# Altium PCB qfc.PcbDoc (part 2 of 13) (continued)
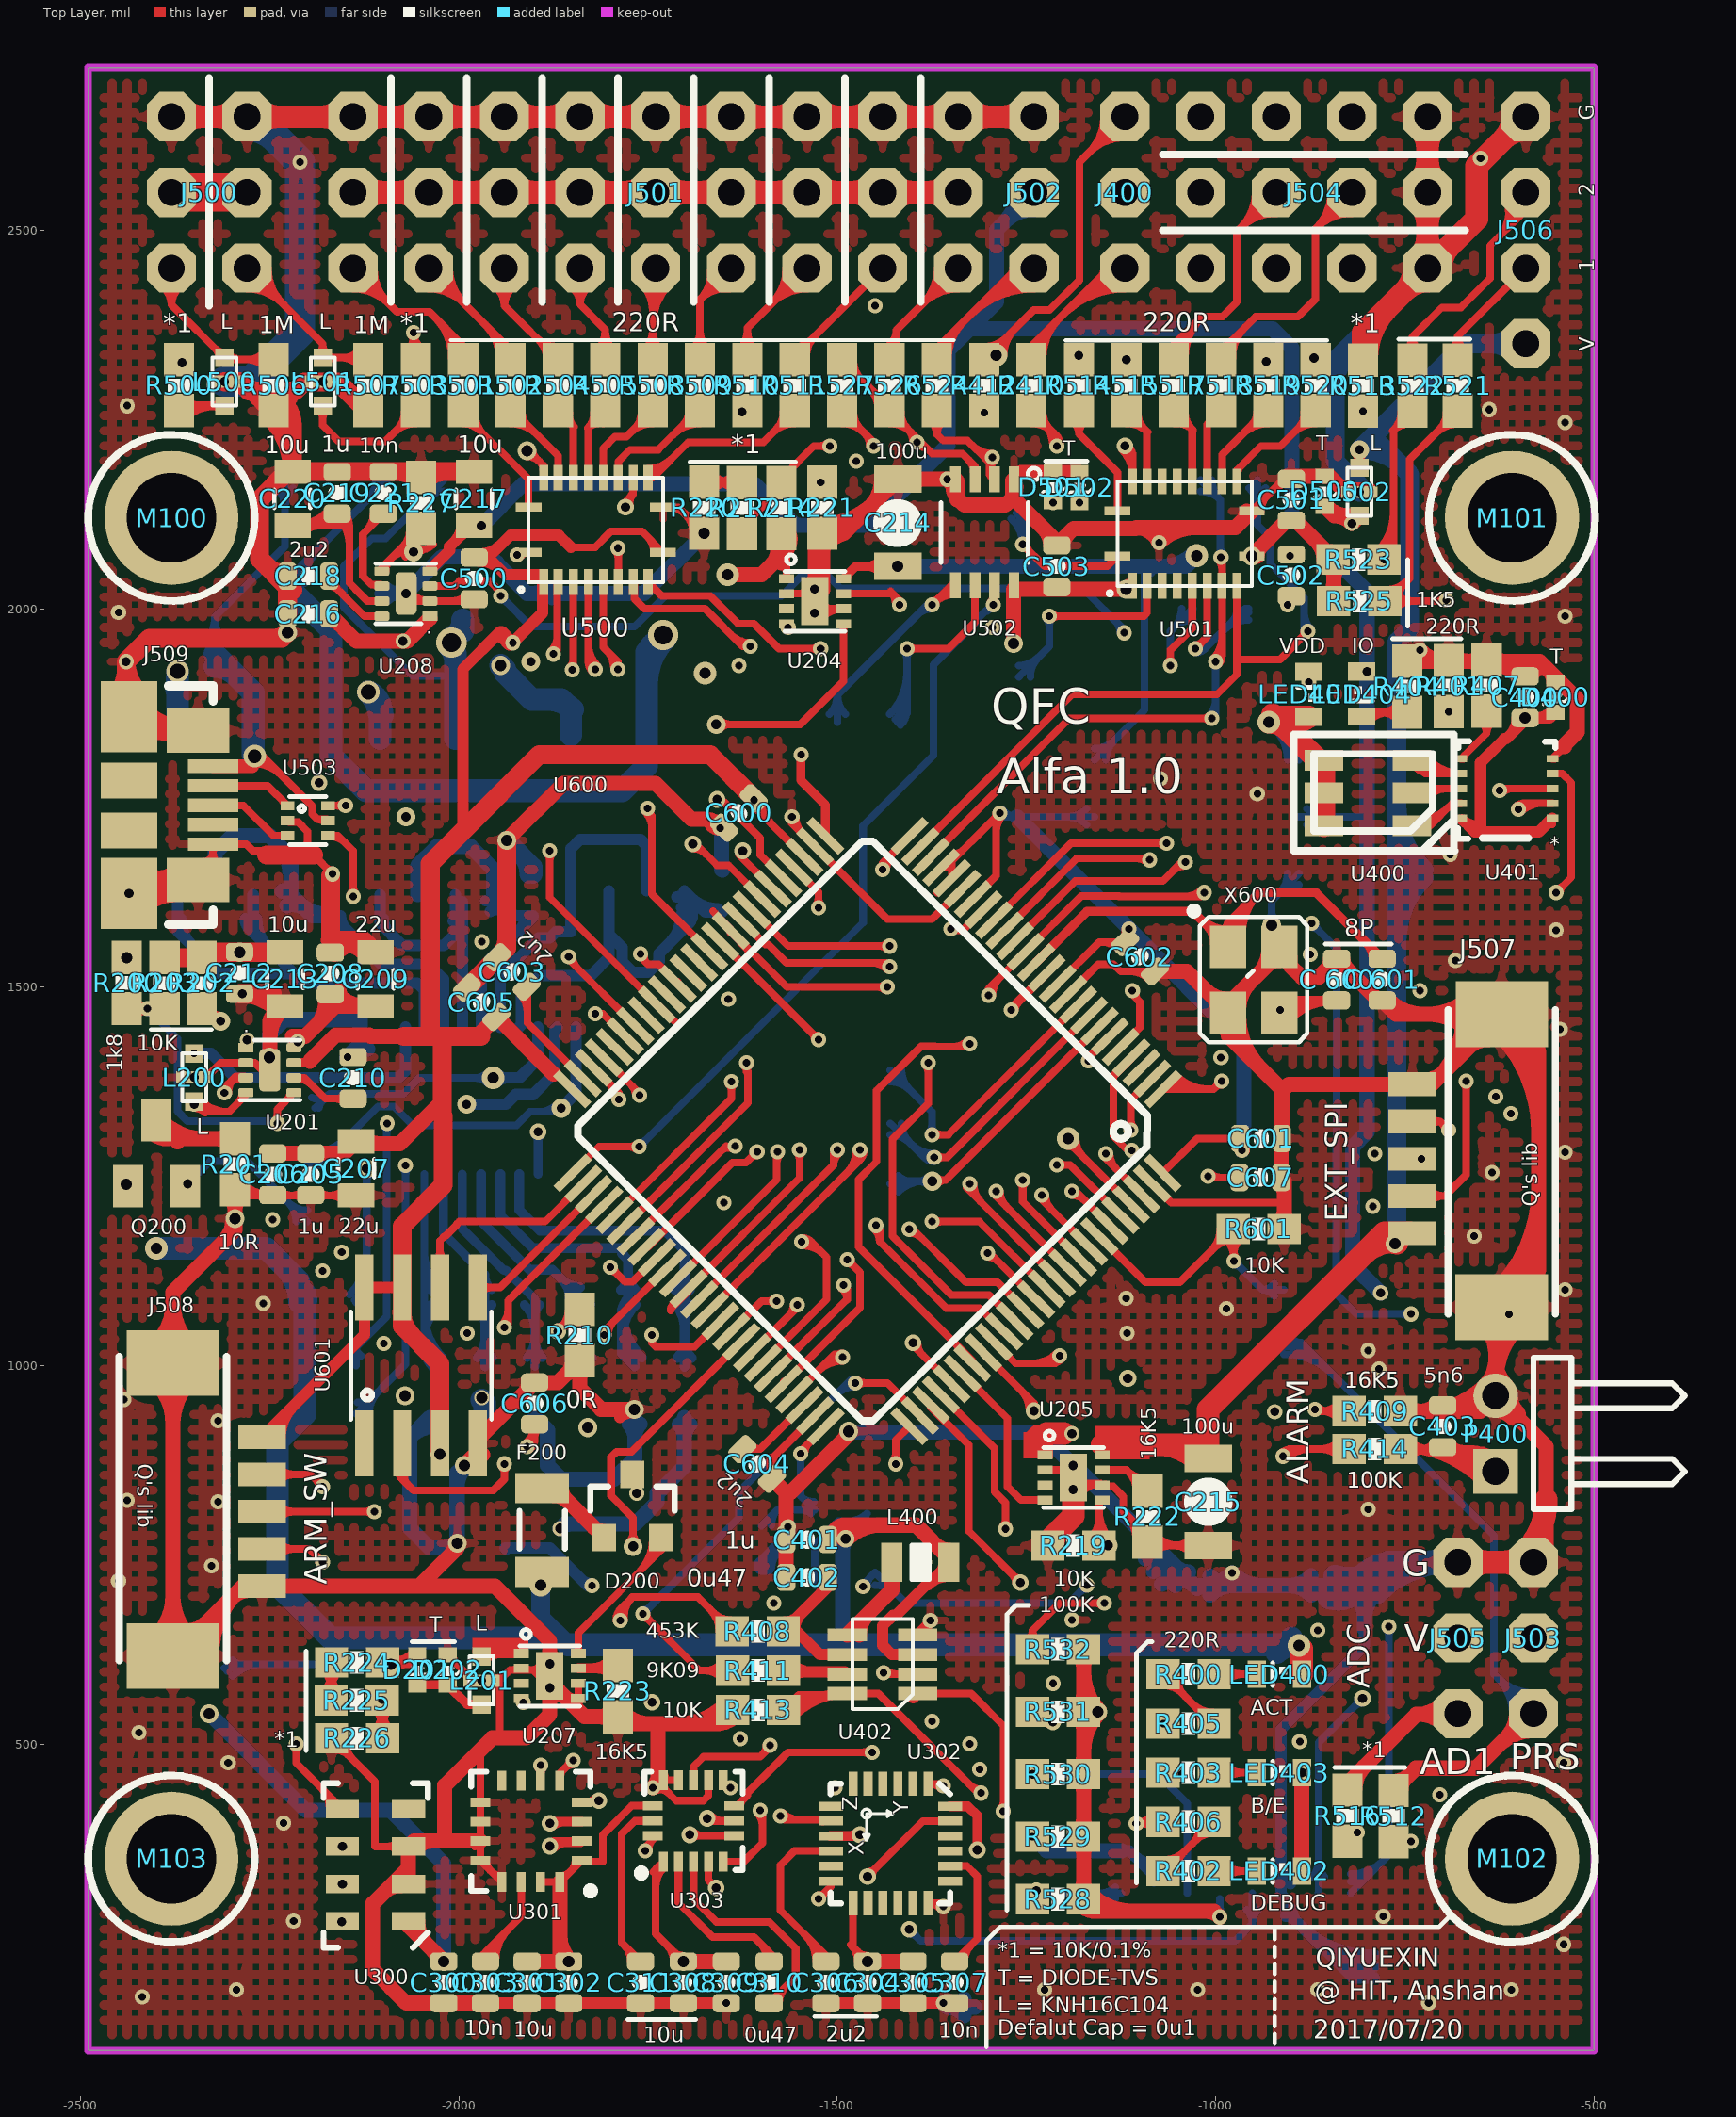
[diagram p0: Top Layer view]
## Nets (pads, with @x,y where several pads share a name; then routed paths per layer and width w, separated by ;. In a path a pad name is that pad's centre, name@x,y a point inside that pad or via, vN(x,y) a via of type N, cw(c..) or ccw(c..) an arc to the next point about the centre after c; other vN are vias at no path point) (continued)
FMU-RX1: J504.2 R515.2 | length 1144.7
  Top Layer w10: R515.2@-1118.15,2329 v6(-1118.15,2329.15)
  Mid-Layer 1 w10: v6(-1118.15,2329.15) -1076.3,2371 -899,2371 J504.2@-820,2450 ; v6@-1118.15,2336.65 ccw(c-1118.15,2354.76) -1105.35,2341.95 ; v6@-1118.15,2336.65 ccw(c-1118.15,2354.76) -1105.35,2341.95 ; v6@-1118.15,2336.65 ccw(c-1118.15,2354.76) -1105.35,2341.95 ; v6@-1118.15,2336.65 ccw(c-1118.15,2354.76) -1105.35,2341.95 ; v6@-1110.65,2329.15 cw(c-1092.54,2329.15) -1105.35,2341.95 ; v6@-1110.65,2329.15 cw(c-1092.54,2329.15) -1105.35,2341.95 ; v6@-1110.65,2329.15 cw(c-1092.54,2329.15) -1105.35,2341.95 ; v6@-1110.65,2329.15 cw(c-1092.54,2329.15) -1105.35,2341.95 ; -866.95,2403.05 cw(c-820,2356.11) J504.2@-820,2422.5 ; -866.95,2403.05 ccw(c-913.89,2450) J504.2@-847.5,2450 ; -866.95,2403.05 cw(c-820,2356.11) J504.2@-820,2422.5 ; -866.95,2403.05 ccw(c-913.89,2450) J504.2@-847.5,2450 ; -866.95,2403.05 cw(c-820,2356.11) J504.2@-820,2422.5 ; -866.95,2403.05 ccw(c-913.89,2450) J504.2@-847.5,2450 ; -866.95,2403.05 cw(c-820,2356.11) J504.2@-820,2422.5 ; -866.95,2403.05 ccw(c-913.89,2450) J504.2@-847.5,2450 ; -849.87,2420.13 cw(c-820,2390.25) J504.2@-820,2432.5 ; -849.87,2420.13 ccw(c-879.75,2450) J504.2@-837.5,2450 ; -849.87,2420.13 cw(c-820,2390.25) J504.2@-820,2432.5 ; -849.87,2420.13 ccw(c-879.75,2450) J504.2@-837.5,2450 ; -849.87,2420.13 cw(c-820,2390.25) J504.2@-820,2432.5 ; -849.87,2420.13 ccw(c-879.75,2450) J504.2@-837.5,2450 ; -849.87,2420.13 cw(c-820,2390.25) J504.2@-820,2432.5 ; -849.87,2420.13 ccw(c-879.75,2450) J504.2@-837.5,2450
FMU-RX3: J504.4 R518.2 | length 1342
  Top Layer w10: R518.2@-992.97,2329 -992.97,2340.03 -947,2386 -891,2386 -868,2409 -868,2502 J504.4@-820,2550 ; R518.2@-992.97,2346 ccw(c-992.97,2360.4) R518.2@-982.78,2350.22 ; R518.2@-992.97,2346 ccw(c-992.97,2360.4) R518.2@-982.78,2350.22 ; R518.2@-992.97,2346 ccw(c-992.97,2360.4) R518.2@-982.78,2350.22 ; R518.2@-992.97,2346 ccw(c-992.97,2360.4) R518.2@-982.78,2350.22 ; R518.2@-987.97,2331 cw(c-954.08,2331) -978.04,2354.96 ; R518.2@-987.97,2331 cw(c-954.08,2331) -978.04,2354.96 ; R518.2@-987.97,2331 cw(c-954.08,2331) -978.04,2354.96 ; R518.2@-987.97,2331 cw(c-954.08,2331) -978.04,2354.96 ; R518.2@-977.97,2331 cw(c-919.94,2331) -960.97,2372.03 ; R518.2@-977.97,2331 cw(c-919.94,2331) -960.97,2372.03 ; R518.2@-977.97,2331 cw(c-919.94,2331) -960.97,2372.03 ; R518.2@-977.97,2331 cw(c-919.94,2331) -960.97,2372.03 ; -866.95,2503.05 cw(c-820,2456.11) J504.4@-820,2522.5 ; -866.95,2503.05 ccw(c-913.89,2550) J504.4@-847.5,2550 ; -866.95,2503.05 cw(c-820,2456.11) J504.4@-820,2522.5 ; -866.95,2503.05 ccw(c-913.89,2550) J504.4@-847.5,2550 ; -866.95,2503.05 cw(c-820,2456.11) J504.4@-820,2522.5 ; -866.95,2503.05 ccw(c-913.89,2550) J504.4@-847.5,2550 ; -866.95,2503.05 cw(c-820,2456.11) J504.4@-820,2522.5 ; -866.95,2503.05 ccw(c-913.89,2550) J504.4@-847.5,2550 ; -849.87,2520.13 cw(c-820,2490.25) J504.4@-820,2532.5 ; -849.87,2520.13 ccw(c-879.75,2550) J504.4@-837.5,2550 ; -849.87,2520.13 cw(c-820,2490.25) J504.4@-820,2532.5 ; -849.87,2520.13 ccw(c-879.75,2550) J504.4@-837.5,2550 ; -849.87,2520.13 cw(c-820,2490.25) J504.4@-820,2532.5 ; -849.87,2520.13 ccw(c-879.75,2550) J504.4@-837.5,2550 ; -849.87,2520.13 cw(c-820,2490.25) J504.4@-820,2532.5 ; -849.87,2520.13 ccw(c-879.75,2550) J504.4@-837.5,2550
FMU-RX4: J504.6 R520.2 | length 1139
  Top Layer w10: v6(-870,2331.22) R520.2@-867.78,2329
  Mid-Layer 2 w10: v6(-870,2331.22) -870,2600 J504.6@-820,2650 ; v6@-875.3,2336.52 ccw(c-888.11,2349.33) -870,2349.33 ; v6@-875.3,2336.52 ccw(c-888.11,2349.33) -870,2349.33 ; v6@-875.3,2336.52 ccw(c-888.11,2349.33) -870,2349.33 ; v6@-875.3,2336.52 ccw(c-888.11,2349.33) -870,2349.33 ; -870,2349.33 ccw(c-851.89,2349.33) v6@-864.7,2336.52 ; -870,2349.33 ccw(c-851.89,2349.33) v6@-864.7,2336.52 ; -870,2349.33 ccw(c-851.89,2349.33) v6@-864.7,2336.52 ; -870,2349.33 ccw(c-851.89,2349.33) v6@-864.7,2336.52 ; -866.95,2603.05 cw(c-820,2556.11) J504.6@-820,2622.5 ; -866.95,2603.05 ccw(c-913.89,2650) J504.6@-847.5,2650 ; -866.95,2603.05 cw(c-820,2556.11) J504.6@-820,2622.5 ; -866.95,2603.05 ccw(c-913.89,2650) J504.6@-847.5,2650 ; -866.95,2603.05 cw(c-820,2556.11) J504.6@-820,2622.5 ; -866.95,2603.05 ccw(c-913.89,2650) J504.6@-847.5,2650 ; -866.95,2603.05 cw(c-820,2556.11) J504.6@-820,2622.5 ; -866.95,2603.05 ccw(c-913.89,2650) J504.6@-847.5,2650 ; -849.87,2620.13 cw(c-820,2590.25) J504.6@-820,2632.5 ; -849.87,2620.13 ccw(c-879.75,2650) J504.6@-837.5,2650 ; -849.87,2620.13 cw(c-820,2590.25) J504.6@-820,2632.5 ; -849.87,2620.13 ccw(c-879.75,2650) J504.6@-837.5,2650 ; -849.87,2620.13 cw(c-820,2590.25) J504.6@-820,2632.5 ; -849.87,2620.13 ccw(c-879.75,2650) J504.6@-837.5,2650 ; -849.87,2620.13 cw(c-820,2590.25) J504.6@-820,2632.5 ; -849.87,2620.13 ccw(c-879.75,2650) J504.6@-837.5,2650
FMU-TX1: J504.1 R514.2 | length 1110.6
  Top Layer w10: R514.2@-1180.74,2329 v6(-1180.74,2334.74)
  Mid-Layer 1 w10: v6(-1180.74,2334.74) -1120.36,2395.12 -974.88,2395.12 J504.1@-920,2450 ; v6@-1180.74,2342.24 ccw(c-1180.74,2360.35) -1167.94,2347.55 ; v6@-1180.74,2342.24 ccw(c-1180.74,2360.35) -1167.94,2347.55 ; v6@-1180.74,2342.24 ccw(c-1180.74,2360.35) -1167.94,2347.55 ; v6@-1180.74,2342.24 ccw(c-1180.74,2360.35) -1167.94,2347.55 ; v6@-1173.24,2334.74 cw(c-1155.14,2334.74) -1167.94,2347.55 ; v6@-1173.24,2334.74 cw(c-1155.14,2334.74) -1167.94,2347.55 ; v6@-1173.24,2334.74 cw(c-1155.14,2334.74) -1167.94,2347.55 ; v6@-1173.24,2334.74 cw(c-1155.14,2334.74) -1167.94,2347.55 ; -966.95,2403.05 cw(c-920,2356.11) J504.1@-920,2422.5 ; -966.95,2403.05 ccw(c-1013.89,2450) J504.1@-947.5,2450 ; -966.95,2403.05 cw(c-920,2356.11) J504.1@-920,2422.5 ; -966.95,2403.05 ccw(c-1013.89,2450) J504.1@-947.5,2450 ; -966.95,2403.05 cw(c-920,2356.11) J504.1@-920,2422.5 ; -966.95,2403.05 ccw(c-1013.89,2450) J504.1@-947.5,2450 ; -966.95,2403.05 cw(c-920,2356.11) J504.1@-920,2422.5 ; -966.95,2403.05 ccw(c-1013.89,2450) J504.1@-947.5,2450 ; -949.87,2420.13 cw(c-920,2390.25) J504.1@-920,2432.5 ; -949.87,2420.13 ccw(c-979.75,2450) J504.1@-937.5,2450 ; -949.87,2420.13 cw(c-920,2390.25) J504.1@-920,2432.5 ; -949.87,2420.13 ccw(c-979.75,2450) J504.1@-937.5,2450 ; -949.87,2420.13 cw(c-920,2390.25) J504.1@-920,2432.5 ; -949.87,2420.13 ccw(c-979.75,2450) J504.1@-937.5,2450 ; -949.87,2420.13 cw(c-920,2390.25) J504.1@-920,2432.5 ; -949.87,2420.13 ccw(c-979.75,2450) J504.1@-937.5,2450
FMU-TX3: J504.3 R517.2 | length 1482.1
  Top Layer w10: R517.2@-1055.56,2329 -1055.56,2348.44 -1018,2386 ; J504.3@-920,2550 -972,2498 -972,2405 -991,2386 -1018,2386 ; R517.2@-1060.56,2330.97 cw(c-1030.87,2331.15) -1051.86,2352.14 ; R517.2@-1060.56,2330.97 cw(c-1030.87,2331.15) -1051.86,2352.14 ; R517.2@-1060.56,2330.97 cw(c-1030.87,2331.15) -1051.86,2352.14 ; R517.2@-1060.56,2330.97 cw(c-1030.87,2331.15) -1051.86,2352.14 ; R517.2@-1050.56,2331.03 cw(c-997.21,2331.34) -1034.93,2369.07 ; R517.2@-1050.56,2331.03 cw(c-997.21,2331.34) -1034.93,2369.07 ; R517.2@-1050.56,2331.03 cw(c-997.21,2331.34) -1034.93,2369.07 ; R517.2@-1050.56,2331.03 cw(c-997.21,2331.34) -1034.93,2369.07 ; R517.2@-1040.56,2331.09 cw(c-963.54,2331.54) -1018,2386 ; R517.2@-1040.56,2331.09 cw(c-963.54,2331.54) -1018,2386 ; R517.2@-1040.56,2331.09 cw(c-963.54,2331.54) -1018,2386 ; R517.2@-1040.56,2331.09 cw(c-963.54,2331.54) -1018,2386 ; -966.95,2503.05 cw(c-920,2456.11) J504.3@-920,2522.5 ; -966.95,2503.05 ccw(c-1013.89,2550) J504.3@-947.5,2550 ; -966.95,2503.05 cw(c-920,2456.11) J504.3@-920,2522.5 ; -966.95,2503.05 ccw(c-1013.89,2550) J504.3@-947.5,2550 ; -966.95,2503.05 cw(c-920,2456.11) J504.3@-920,2522.5 ; -966.95,2503.05 ccw(c-1013.89,2550) J504.3@-947.5,2550 ; -966.95,2503.05 cw(c-920,2456.11) J504.3@-920,2522.5 ; -966.95,2503.05 ccw(c-1013.89,2550) J504.3@-947.5,2550 ; -949.87,2520.13 cw(c-920,2490.25) J504.3@-920,2532.5 ; -949.87,2520.13 ccw(c-979.75,2550) J504.3@-937.5,2550 ; -949.87,2520.13 cw(c-920,2490.25) J504.3@-920,2532.5 ; -949.87,2520.13 ccw(c-979.75,2550) J504.3@-937.5,2550 ; -949.87,2520.13 cw(c-920,2490.25) J504.3@-920,2532.5 ; -949.87,2520.13 ccw(c-979.75,2550) J504.3@-937.5,2550 ; -949.87,2520.13 cw(c-920,2490.25) J504.3@-920,2532.5 ; -949.87,2520.13 ccw(c-979.75,2550) J504.3@-937.5,2550
FMU-TX4: J504.5 R519.2 | length 1157.7
  Top Layer w10: v6(-933,2326.37) R519.2@-930.37,2329
  Mid-Layer 2 w10: v6(-933,2326.37) -967.5,2360.87 -967.5,2602.5 J504.5@-920,2650 ; -966.95,2603.05 cw(c-920,2556.11) J504.5@-920,2622.5 ; -966.95,2603.05 ccw(c-1013.89,2650) J504.5@-947.5,2650 ; -966.95,2603.05 cw(c-920,2556.11) J504.5@-920,2622.5 ; -966.95,2603.05 ccw(c-1013.89,2650) J504.5@-947.5,2650 ; -966.95,2603.05 cw(c-920,2556.11) J504.5@-920,2622.5 ; -966.95,2603.05 ccw(c-1013.89,2650) J504.5@-947.5,2650 ; -966.95,2603.05 cw(c-920,2556.11) J504.5@-920,2622.5 ; -966.95,2603.05 ccw(c-1013.89,2650) J504.5@-947.5,2650 ; -949.87,2620.13 cw(c-920,2590.25) J504.5@-920,2632.5 ; -949.87,2620.13 ccw(c-979.75,2650) J504.5@-937.5,2650 ; -949.87,2620.13 cw(c-920,2590.25) J504.5@-920,2632.5 ; -949.87,2620.13 ccw(c-979.75,2650) J504.5@-937.5,2650 ; -949.87,2620.13 cw(c-920,2590.25) J504.5@-920,2632.5 ; -949.87,2620.13 ccw(c-979.75,2650) J504.5@-937.5,2650 ; -949.87,2620.13 cw(c-920,2590.25) J504.5@-920,2632.5 ; -949.87,2620.13 ccw(c-979.75,2650) J504.5@-937.5,2650 ; -945.8,2339.18 cw(c-958.61,2326.37) v6@-940.5,2326.37 ; -945.8,2339.18 ccw(c-933,2351.98) v6@-933,2333.87 ; -945.8,2339.18 cw(c-958.61,2326.37) v6@-940.5,2326.37 ; -945.8,2339.18 ccw(c-933,2351.98) v6@-933,2333.87 ; -945.8,2339.18 cw(c-958.61,2326.37) v6@-940.5,2326.37 ; -945.8,2339.18 ccw(c-933,2351.98) v6@-933,2333.87 ; -945.8,2339.18 cw(c-958.61,2326.37) v6@-940.5,2326.37 ; -945.8,2339.18 ccw(c-933,2351.98) v6@-933,2333.87
FMU-UART1_RX: S1RX.P$1 U501.3 U600.93 | length 1736.6
  Top Layer w10: v1(-1230,1225) -1230,1219.2 U600.93@-1167.66,1156.86 ; v1(-1220,1990) -1095,1990 -1090.76,1994.24 U501.3@-1090.76,2030.06 ; v1@-1225,1225 ccw(c-1198.92,1225) -1217.36,1206.56 ; v1@-1225,1225 ccw(c-1198.92,1225) -1217.36,1206.56 ; v1@-1225,1225 ccw(c-1198.92,1225) -1217.36,1206.56 ; v1@-1225,1225 ccw(c-1198.92,1225) -1217.36,1206.56 ; v1@-1216.46,1986.46 cw(c-1207.93,1977.93) -1207.93,1990 ; v1@-1216.46,1986.46 cw(c-1207.93,1977.93) -1207.93,1990 ; v1@-1216.46,1986.46 cw(c-1207.93,1977.93) -1207.93,1990 ; v1@-1216.46,1986.46 cw(c-1207.93,1977.93) -1207.93,1990 ; v1@-1216.46,1993.54 ccw(c-1207.93,2002.07) -1207.93,1990 ; v1@-1216.46,1993.54 ccw(c-1207.93,2002.07) -1207.93,1990 ; v1@-1216.46,1993.54 ccw(c-1207.93,2002.07) -1207.93,1990 ; v1@-1216.46,1993.54 ccw(c-1207.93,2002.07) -1207.93,1990
  Mid-Layer 2 w10: v1(-1230,1225) -1232,1227 -1232,1316 -1215.67,1332.33 -1215.67,1985.67 v1(-1220,1990) ; -1232,1241.9 ccw(c-1213.1,1241.9) v1@-1226.46,1228.54 ; -1232,1241.9 ccw(c-1213.1,1241.9) v1@-1226.46,1228.54 ; -1232,1241.9 ccw(c-1213.1,1241.9) v1@-1226.46,1228.54 ; -1232,1241.9 ccw(c-1213.1,1241.9) v1@-1226.46,1228.54 ; v1@-1223.54,1986.46 cw(c-1242.52,1967.48) -1215.67,1967.48 ; v1@-1223.54,1986.46 cw(c-1242.52,1967.48) -1215.67,1967.48 ; v1@-1223.54,1986.46 cw(c-1242.52,1967.48) -1215.67,1967.48 ; v1@-1223.54,1986.46 cw(c-1242.52,1967.48) -1215.67,1967.48
  Bottom Layer w10: S1RX.P$1@-1260,1910 -1220,1950 v1(-1220,1990) ; S1RX.P$1@-1260,1925 ccw(c-1260,1961.21) -1234.39,1935.61 ; S1RX.P$1@-1260,1925 ccw(c-1260,1961.21) -1234.39,1935.61 ; S1RX.P$1@-1260,1925 ccw(c-1260,1961.21) -1234.39,1935.61 ; S1RX.P$1@-1260,1925 ccw(c-1260,1961.21) -1234.39,1935.61 ; S1RX.P$1@-1245,1910 cw(c-1208.79,1910) -1234.39,1935.61 ; S1RX.P$1@-1245,1910 cw(c-1208.79,1910) -1234.39,1935.61 ; S1RX.P$1@-1245,1910 cw(c-1208.79,1910) -1234.39,1935.61 ; S1RX.P$1@-1245,1910 cw(c-1208.79,1910) -1234.39,1935.61 ; v1@-1223.54,1986.46 cw(c-1232.07,1977.93) -1220,1977.93 ; v1@-1223.54,1986.46 cw(c-1232.07,1977.93) -1220,1977.93 ; v1@-1223.54,1986.46 cw(c-1232.07,1977.93) -1220,1977.93 ; v1@-1223.54,1986.46 cw(c-1232.07,1977.93) -1220,1977.93 ; -1220,1977.93 cw(c-1207.93,1977.93) v1@-1216.46,1986.46 ; -1220,1977.93 cw(c-1207.93,1977.93) v1@-1216.46,1986.46 ; -1220,1977.93 cw(c-1207.93,1977.93) v1@-1216.46,1986.46 ; -1220,1977.93 cw(c-1207.93,1977.93) v1@-1216.46,1986.46
FMU-UART1_TX: S1TX.P$1 U501.1 U600.92 | length 1829.4
  Top Layer w10: v1(-1255,1245) -1255,1216.36 U600.92@-1181.58,1142.94 ; v1(-1255,2085) -1225.91,2055.91 -1143.28,2055.91 U501.1@-1129.76,2069.43 ; v1@-1258.54,1241.46 cw(c-1267.07,1232.93) -1255,1232.93 ; v1@-1258.54,1241.46 cw(c-1267.07,1232.93) -1255,1232.93 ; v1@-1258.54,1241.46 cw(c-1267.07,1232.93) -1255,1232.93 ; v1@-1258.54,1241.46 cw(c-1267.07,1232.93) -1255,1232.93 ; -1255,1232.93 cw(c-1242.93,1232.93) v1@-1251.46,1241.46 ; -1255,1232.93 cw(c-1242.93,1232.93) v1@-1251.46,1241.46 ; -1255,1232.93 cw(c-1242.93,1232.93) v1@-1251.46,1241.46 ; -1255,1232.93 cw(c-1242.93,1232.93) v1@-1251.46,1241.46 ; v1@-1255,2080 cw(c-1255,2067.93) -1246.46,2076.46 ; v1@-1255,2080 cw(c-1255,2067.93) -1246.46,2076.46 ; v1@-1255,2080 cw(c-1255,2067.93) -1246.46,2076.46 ; v1@-1255,2080 cw(c-1255,2067.93) -1246.46,2076.46 ; v1@-1250,2085 ccw(c-1237.93,2085) -1246.46,2076.46 ; v1@-1250,2085 ccw(c-1237.93,2085) -1246.46,2076.46 ; v1@-1250,2085 ccw(c-1237.93,2085) -1246.46,2076.46 ; v1@-1250,2085 ccw(c-1237.93,2085) -1246.46,2076.46
  Mid-Layer 2 w10: v1(-1255,1245) -1255,1329.67 -1235,1349.67 -1235,1970 -1245,1980 -1245,2070 -1255,2080 v1(-1255,2085) ; v1@-1258.54,1248.54 ccw(c-1267.07,1257.07) -1255,1257.07 ; v1@-1258.54,1248.54 ccw(c-1267.07,1257.07) -1255,1257.07 ; v1@-1258.54,1248.54 ccw(c-1267.07,1257.07) -1255,1257.07 ; v1@-1258.54,1248.54 ccw(c-1267.07,1257.07) -1255,1257.07 ; -1255,1257.07 ccw(c-1242.93,1257.07) v1@-1251.46,1248.54 ; -1255,1257.07 ccw(c-1242.93,1257.07) v1@-1251.46,1248.54 ; -1255,1257.07 ccw(c-1242.93,1257.07) v1@-1251.46,1248.54 ; -1255,1257.07 ccw(c-1242.93,1257.07) v1@-1251.46,1248.54 ; v1@-1250.22,2083.52 ccw(c-1239.73,2080.27) -1247.5,2072.5 ; v1@-1250.22,2083.52 ccw(c-1239.73,2080.27) -1247.5,2072.5 ; v1@-1250.22,2083.52 ccw(c-1239.73,2080.27) -1247.5,2072.5 ; v1@-1250.22,2083.52 ccw(c-1239.73,2080.27) -1247.5,2072.5
  Bottom Layer w10: S1TX.P$1@-1260,2130 -1255,2125 v1(-1255,2085) ; S1TX.P$1@-1270.1,2118.91 cw(c-1301.24,2084.73) v1@-1255,2084.73 ; S1TX.P$1@-1270.1,2118.91 cw(c-1301.24,2084.73) v1@-1255,2084.73 ; S1TX.P$1@-1270.1,2118.91 cw(c-1301.24,2084.73) v1@-1255,2084.73 ; S1TX.P$1@-1270.1,2118.91 cw(c-1301.24,2084.73) v1@-1255,2084.73 ; S1TX.P$1@-1263.37,2126.3 cw(c-1280.62,2107.36) -1255,2107.36 ; S1TX.P$1@-1263.37,2126.3 cw(c-1280.62,2107.36) -1255,2107.36 ; S1TX.P$1@-1263.37,2126.3 cw(c-1280.62,2107.36) -1255,2107.36 ; S1TX.P$1@-1263.37,2126.3 cw(c-1280.62,2107.36) -1255,2107.36 ; v1@-1258.54,2088.54 ccw(c-1267.07,2097.07) -1255,2097.07 ; v1@-1258.54,2088.54 ccw(c-1267.07,2097.07) -1255,2097.07 ; v1@-1258.54,2088.54 ccw(c-1267.07,2097.07) -1255,2097.07 ; v1@-1258.54,2088.54 ccw(c-1267.07,2097.07) -1255,2097.07 ; -1255,2097.07 ccw(c-1242.93,2097.07) v1@-1251.46,2088.54 ; -1255,2097.07 ccw(c-1242.93,2097.07) v1@-1251.46,2088.54 ; -1255,2097.07 ccw(c-1242.93,2097.07) v1@-1251.46,2088.54 ; -1255,2097.07 ccw(c-1242.93,2097.07) v1@-1251.46,2088.54 ; -1255,2105.86 cw(c-1235.86,2105.86) S1TX.P$1@-1249.39,2119.39 ; -1255,2105.86 cw(c-1235.86,2105.86) S1TX.P$1@-1249.39,2119.39 ; -1255,2105.86 cw(c-1235.86,2105.86) S1TX.P$1@-1249.39,2119.39 ; -1255,2105.86 cw(c-1235.86,2105.86) S1TX.P$1@-1249.39,2119.39
FMU-UART3_RX: S3RX.P$1 U501.7 U600.56 | length 2742.5
  Top Layer w10: U600.56@-1780.17,1184.7 -1618,1346.87 -1618,1386.11 -1620,1388.11 ; v1(-1620,1400) -1620,1388.11 ; v1(-1026.89,1947) -1011.23,1962.66 U501.7@-1011.23,2030.06 ; v1@-1623.54,1396.46 cw(c-1636.9,1383.1) -1618,1383.1 ; v1@-1623.54,1396.46 cw(c-1636.9,1383.1) -1618,1383.1 ; v1@-1623.54,1396.46 cw(c-1636.9,1383.1) -1618,1383.1 ; v1@-1623.54,1396.46 cw(c-1636.9,1383.1) -1618,1383.1 ; v1@-1623.5,1396.43 cw(c-1631.63,1388.11) -1620,1388.11 ; v1@-1623.5,1396.43 cw(c-1631.63,1388.11) -1620,1388.11 ; v1@-1623.5,1396.43 cw(c-1631.63,1388.11) -1620,1388.11 ; v1@-1623.5,1396.43 cw(c-1631.63,1388.11) -1620,1388.11 ; v1@-1623.5,1396.43 cw(c-1631.63,1388.11) -1620,1388.11 ; v1@-1623.5,1396.43 cw(c-1631.63,1388.11) -1620,1388.11 ; v1@-1623.01,1396.01 cw(c-1630.56,1385.97) -1618,1385.97 ; v1@-1623.01,1396.01 cw(c-1630.56,1385.97) -1618,1385.97 ; v1@-1623.01,1396.01 cw(c-1630.56,1385.97) -1618,1385.97 ; -1620,1388.11 cw(c-1608.37,1388.11) v1@-1616.5,1396.43 ; -1620,1388.11 cw(c-1608.37,1388.11) v1@-1616.5,1396.43 ; -1620,1388.11 cw(c-1608.37,1388.11) v1@-1616.5,1396.43 ; -1620,1388.11 cw(c-1608.37,1388.11) v1@-1616.5,1396.43 ; -1620,1388.11 cw(c-1608.37,1388.11) v1@-1616.5,1396.43 ; -1620,1388.11 cw(c-1608.37,1388.11) v1@-1616.5,1396.43 ; v1@-1026.89,1952 ccw(c-1026.89,1964.07) -1018.35,1955.54 ; v1@-1026.89,1952 ccw(c-1026.89,1964.07) -1018.35,1955.54 ; v1@-1026.89,1952 ccw(c-1026.89,1964.07) -1018.35,1955.54 ; v1@-1026.89,1952 ccw(c-1026.89,1964.07) -1018.35,1955.54 ; v1@-1021.89,1947 cw(c-1009.82,1947) -1018.35,1955.54 ; v1@-1021.89,1947 cw(c-1009.82,1947) -1018.35,1955.54 ; v1@-1021.89,1947 cw(c-1009.82,1947) -1018.35,1955.54 ; v1@-1021.89,1947 cw(c-1009.82,1947) -1018.35,1955.54
  Mid-Layer 1 w10: v1(-1630,1925) -1091.11,1925 -1069.11,1947 v1(-1026.89,1947) ; v1@-1626.46,1921.46 cw(c-1617.93,1912.93) -1617.93,1925 ; v1@-1626.46,1921.46 cw(c-1617.93,1912.93) -1617.93,1925 ; v1@-1626.46,1921.46 cw(c-1617.93,1912.93) -1617.93,1925 ; v1@-1626.46,1921.46 cw(c-1617.93,1912.93) -1617.93,1925 ; v1@-1626.46,1928.54 ccw(c-1617.93,1937.07) -1617.93,1925 ; v1@-1626.46,1928.54 ccw(c-1617.93,1937.07) -1617.93,1925 ; v1@-1626.46,1928.54 ccw(c-1617.93,1937.07) -1617.93,1925 ; v1@-1626.46,1928.54 ccw(c-1617.93,1937.07) -1617.93,1925 ; -1038.96,1947 cw(c-1038.96,1934.93) v1@-1030.42,1943.46 ; -1038.96,1947 ccw(c-1038.96,1959.07) v1@-1030.42,1950.54 ; -1038.96,1947 cw(c-1038.96,1934.93) v1@-1030.42,1943.46 ; -1038.96,1947 ccw(c-1038.96,1959.07) v1@-1030.42,1950.54 ; -1038.96,1947 cw(c-1038.96,1934.93) v1@-1030.42,1943.46 ; -1038.96,1947 ccw(c-1038.96,1959.07) v1@-1030.42,1950.54 ; -1038.96,1947 cw(c-1038.96,1934.93) v1@-1030.42,1943.46 ; -1038.96,1947 ccw(c-1038.96,1959.07) v1@-1030.42,1950.54
  Mid-Layer 2 w10: v1(-1630,1925) -1632,1923 -1632,1737.89 -1602,1707.89 -1602,1670.47 -1620,1652.47 v1(-1620,1400) ; v1@-1026.89,1946.89 v1(-1026.89,1947) ; -1632,1908.1 cw(c-1613.1,1908.1) v1@-1626.46,1921.46 ; -1632,1908.1 cw(c-1613.1,1908.1) v1@-1626.46,1921.46 ; -1632,1908.1 cw(c-1613.1,1908.1) v1@-1626.46,1921.46 ; -1632,1908.1 cw(c-1613.1,1908.1) v1@-1626.46,1921.46 ; v1@-1623.54,1403.54 ccw(c-1632.07,1412.07) -1620,1412.07 ; v1@-1623.54,1403.54 ccw(c-1632.07,1412.07) -1620,1412.07 ; v1@-1623.54,1403.54 ccw(c-1632.07,1412.07) -1620,1412.07 ; v1@-1623.54,1403.54 ccw(c-1632.07,1412.07) -1620,1412.07 ; -1620,1412.07 ccw(c-1607.93,1412.07) v1@-1616.46,1403.54 ; -1620,1412.07 ccw(c-1607.93,1412.07) v1@-1616.46,1403.54 ; -1620,1412.07 ccw(c-1607.93,1412.07) v1@-1616.46,1403.54 ; -1620,1412.07 ccw(c-1607.93,1412.07) v1@-1616.46,1403.54
  Bottom Layer w10: v1(-1026.89,1947) -1014.11,1947 -961.11,2000 S3RX.P$1@-956.5,2000 ; v1@-1026.89,1942 ccw(c-1026.89,1960.77) -1013.61,1947.5 ; v1@-1026.89,1942 ccw(c-1026.89,1960.77) -1013.61,1947.5 ; v1@-1026.89,1942 ccw(c-1026.89,1960.77) -1013.61,1947.5 ; v1@-1026.89,1942 ccw(c-1026.89,1960.77) -1013.61,1947.5 ; v1@-1026.89,1952 ccw(c-1026.89,1994.91) -996.54,1964.57 ; v1@-1026.89,1952 ccw(c-1026.89,1994.91) -996.54,1964.57 ; v1@-1026.89,1952 ccw(c-1026.89,1994.91) -996.54,1964.57 ; v1@-1026.89,1952 ccw(c-1026.89,1994.91) -996.54,1964.57 ; v1@-1023.35,1943.46 cw(c-1014.82,1934.93) -1014.82,1947 ; v1@-1023.35,1943.46 cw(c-1014.82,1934.93) -1014.82,1947 ; v1@-1023.35,1943.46 cw(c-1014.82,1934.93) -1014.82,1947 ; v1@-1023.35,1950.54 ccw(c-1014.82,1959.07) -1014.82,1947 ; v1@-1023.35,1950.54 ccw(c-1014.82,1959.07) -1014.82,1947 ; v1@-1023.35,1950.54 ccw(c-1014.82,1959.07) -1014.82,1947 ; -989.98,1971.13 cw(c-956.5,1937.65) S3RX.P$1@-956.5,1985 ; -989.98,1971.13 cw(c-956.5,1937.65) S3RX.P$1@-956.5,1985 ; -989.98,1971.13 cw(c-956.5,1937.65) S3RX.P$1@-956.5,1985 ; -989.98,1971.13 cw(c-956.5,1937.65) S3RX.P$1@-956.5,1985 ; -978.85,1982.27 ccw(c-996.58,2000) S3RX.P$1@-971.5,2000 ; -978.85,1982.27 ccw(c-996.58,2000) S3RX.P$1@-971.5,2000 ; -978.85,1982.27 ccw(c-996.58,2000) S3RX.P$1@-971.5,2000 ; -978.85,1982.27 ccw(c-996.58,2000) S3RX.P$1@-971.5,2000 ; -972.91,1988.2 cw(c-956.5,1971.79) S3RX.P$1@-956.5,1995 ; -972.91,1988.2 cw(c-956.5,1971.79) S3RX.P$1@-956.5,1995 ; -972.91,1988.2 cw(c-956.5,1971.79) S3RX.P$1@-956.5,1995 ; -972.91,1988.2 cw(c-956.5,1971.79) S3RX.P$1@-956.5,1995
FMU-UART3_TX: S3TX.P$1 U501.6 U600.55 | length 2570.8
  Top Layer w10: U600.55@-1794.09,1198.62 -1640,1352.71 v1(-1640,1375) ; v1(-1060,1925) -1060,1945 -1030.91,1974.09 U501.6@-1030.91,2030.06 ; v1@-1643.54,1371.46 cw(c-1652.07,1362.93) -1640,1362.93 ; v1@-1643.54,1371.46 cw(c-1652.07,1362.93) -1640,1362.93 ; v1@-1643.54,1371.46 cw(c-1652.07,1362.93) -1640,1362.93 ; v1@-1643.54,1371.46 cw(c-1652.07,1362.93) -1640,1362.93 ; -1640,1362.93 cw(c-1627.93,1362.93) v1@-1636.46,1371.46 ; -1640,1362.93 cw(c-1627.93,1362.93) v1@-1636.46,1371.46 ; -1640,1362.93 cw(c-1627.93,1362.93) v1@-1636.46,1371.46 ; -1640,1362.93 cw(c-1627.93,1362.93) v1@-1636.46,1371.46 ; v1@-1063.54,1928.54 ccw(c-1072.07,1937.07) -1060,1937.07 ; v1@-1063.54,1928.54 ccw(c-1072.07,1937.07) -1060,1937.07 ; v1@-1063.54,1928.54 ccw(c-1072.07,1937.07) -1060,1937.07 ; v1@-1063.54,1928.54 ccw(c-1072.07,1937.07) -1060,1937.07 ; -1060,1937.07 ccw(c-1047.93,1937.07) v1@-1056.46,1928.54 ; -1060,1937.07 ccw(c-1047.93,1937.07) v1@-1056.46,1928.54 ; -1060,1937.07 ccw(c-1047.93,1937.07) v1@-1056.46,1928.54 ; -1060,1937.07 ccw(c-1047.93,1937.07) v1@-1056.46,1928.54
  Mid-Layer 1 w10: v1(-1640,1375) -1025,1375 v1(-993,1407) ; v1@-1636.46,1371.46 cw(c-1627.93,1362.93) -1627.93,1375 ; v1@-1636.46,1371.46 cw(c-1627.93,1362.93) -1627.93,1375 ; v1@-1636.46,1371.46 cw(c-1627.93,1362.93) -1627.93,1375 ; v1@-1636.46,1371.46 cw(c-1627.93,1362.93) -1627.93,1375 ; v1@-1636.46,1378.54 ccw(c-1627.93,1387.07) -1627.93,1375 ; v1@-1636.46,1378.54 ccw(c-1627.93,1387.07) -1627.93,1375 ; v1@-1636.46,1378.54 ccw(c-1627.93,1387.07) -1627.93,1375 ; v1@-1636.46,1378.54 ccw(c-1627.93,1387.07) -1627.93,1375 ; -1001.54,1398.46 cw(c-993,1389.93) v1@-993,1402 ; -1001.54,1398.46 ccw(c-1010.07,1407) v1@-998,1407 ; -1001.54,1398.46 cw(c-993,1389.93) v1@-993,1402 ; -1001.54,1398.46 ccw(c-1010.07,1407) v1@-998,1407 ; -1001.54,1398.46 cw(c-993,1389.93) v1@-993,1402 ; -1001.54,1398.46 ccw(c-1010.07,1407) v1@-998,1407 ; -1001.54,1398.46 cw(c-993,1389.93) v1@-993,1402 ; -1001.54,1398.46 ccw(c-1010.07,1407) v1@-998,1407
  Mid-Layer 2 w10: v1(-1060,1925) -1035,1925 -983,1873 -983,1417 v1(-993,1407) ; v1@-1056.46,1921.46 cw(c-1047.93,1912.93) -1047.93,1925 ; v1@-1056.46,1921.46 cw(c-1047.93,1912.93) -1047.93,1925 ; v1@-1056.46,1921.46 cw(c-1047.93,1912.93) -1047.93,1925 ; v1@-1056.46,1921.46 cw(c-1047.93,1912.93) -1047.93,1925 ; v1@-1056.46,1928.54 ccw(c-1047.93,1937.07) -1047.93,1925 ; v1@-1056.46,1928.54 ccw(c-1047.93,1937.07) -1047.93,1925 ; v1@-1056.46,1928.54 ccw(c-1047.93,1937.07) -1047.93,1925 ; v1@-1056.46,1928.54 ccw(c-1047.93,1937.07) -1047.93,1925 ; v1@-996.54,1410.54 ccw(c-1029.21,1443.21) -983,1443.21 ; v1@-996.54,1410.54 ccw(c-1029.21,1443.21) -983,1443.21 ; v1@-996.54,1410.54 ccw(c-1029.21,1443.21) -983,1443.21 ; v1@-996.54,1410.54 ccw(c-1029.21,1443.21) -983,1443.21 ; v1@-989.46,1403.46 ccw(c-1005.07,1419.07) -983,1419.07 ; v1@-989.46,1403.46 ccw(c-1005.07,1419.07) -983,1419.07 ; v1@-989.46,1403.46 ccw(c-1005.07,1419.07) -983,1419.07 ; v1@-989.46,1403.46 ccw(c-1005.07,1419.07) -983,1419.07
  Bottom Layer w10: v1(-1060,1925) -1060,1970 S3TX.P$1@-1030,2000 ; v1@-1063.54,1928.54 ccw(c-1072.07,1937.07) -1060,1937.07 ; v1@-1063.54,1928.54 ccw(c-1072.07,1937.07) -1060,1937.07 ; v1@-1063.54,1928.54 ccw(c-1072.07,1937.07) -1060,1937.07 ; v1@-1063.54,1928.54 ccw(c-1072.07,1937.07) -1060,1937.07 ; -1060,1937.07 ccw(c-1047.93,1937.07) v1@-1056.46,1928.54 ; -1060,1937.07 ccw(c-1047.93,1937.07) v1@-1056.46,1928.54 ; -1060,1937.07 ccw(c-1047.93,1937.07) v1@-1056.46,1928.54 ; -1060,1937.07 ccw(c-1047.93,1937.07) v1@-1056.46,1928.54 ; -1055.61,1974.39 cw(c-1030,1948.79) S3TX.P$1@-1030,1985 ; -1055.61,1974.39 ccw(c-1081.21,2000) S3TX.P$1@-1045,2000 ; -1055.61,1974.39 cw(c-1030,1948.79) S3TX.P$1@-1030,1985 ; -1055.61,1974.39 ccw(c-1081.21,2000) S3TX.P$1@-1045,2000 ; -1055.61,1974.39 cw(c-1030,1948.79) S3TX.P$1@-1030,1985 ; -1055.61,1974.39 ccw(c-1081.21,2000) S3TX.P$1@-1045,2000 ; -1055.61,1974.39 cw(c-1030,1948.79) S3TX.P$1@-1030,1985 ; -1055.61,1974.39 ccw(c-1081.21,2000) S3TX.P$1@-1045,2000
FMU-UART4_RX: S4RX.P$1 U501.9 U600.24 | length 1363.2
  Top Layer w10: U600.24@-1390.4,1685.82 -1189.23,1887 -998,1887 -971.86,1913.14 -971.86,1933 ; U501.9@-971.86,2030.06 -971.86,1933 ; v1(-878,1970) -915,1933 -971.86,1933 ; -886.54,1961.46 cw(c-878,1952.93) v1@-878,1965 ; -886.54,1961.46 ccw(c-895.07,1970) v1@-883,1970 ; -886.54,1961.46 cw(c-878,1952.93) v1@-878,1965 ; -886.54,1961.46 ccw(c-895.07,1970) v1@-883,1970 ; -886.54,1961.46 cw(c-878,1952.93) v1@-878,1965 ; -886.54,1961.46 ccw(c-895.07,1970) v1@-883,1970 ; -886.54,1961.46 cw(c-878,1952.93) v1@-878,1965 ; -886.54,1961.46 ccw(c-895.07,1970) v1@-883,1970
  Bottom Layer w10: S4RX.P$1@-945,2170 -945,2110.79 -927.67,2093.47 -927.67,2058.79 -883,2014.11 -883,1972 -881,1970 v1(-878,1970) ; S4RX.P$1@-955.61,2159.39 cw(c-981.21,2133.79) -945,2133.79 ; S4RX.P$1@-955.61,2159.39 cw(c-981.21,2133.79) -945,2133.79 ; S4RX.P$1@-955.61,2159.39 cw(c-981.21,2133.79) -945,2133.79 ; S4RX.P$1@-955.61,2159.39 cw(c-981.21,2133.79) -945,2133.79 ; -945,2133.79 cw(c-908.79,2133.79) S4RX.P$1@-934.39,2159.39 ; -945,2133.79 cw(c-908.79,2133.79) S4RX.P$1@-934.39,2159.39 ; -945,2133.79 cw(c-908.79,2133.79) S4RX.P$1@-934.39,2159.39 ; -945,2133.79 cw(c-908.79,2133.79) S4RX.P$1@-934.39,2159.39 ; -883,1994.14 ccw(c-853.86,1994.14) v1@-874.46,1973.54 ; -883,1994.14 ccw(c-853.86,1994.14) v1@-874.46,1973.54 ; -883,1994.14 ccw(c-853.86,1994.14) v1@-874.46,1973.54 ; -883,1994.14 ccw(c-853.86,1994.14) v1@-874.46,1973.54